# Altium PCB UmTRXv21.PcbDoc (part 18 of 19)
Units mm, origin at the board's own origin, x right, y up, seen from the top; angles counter-clockwise.
Board outline 159.5 x 99.5 mm, 6 copper layers (Top Layer, GND, MidLayer1, Mid-Layer 2, InternalPlane2, Bottom Layer), stack 1.526 mm thick; 716 components, 578 nets, 2850 pads, 1402 vias.
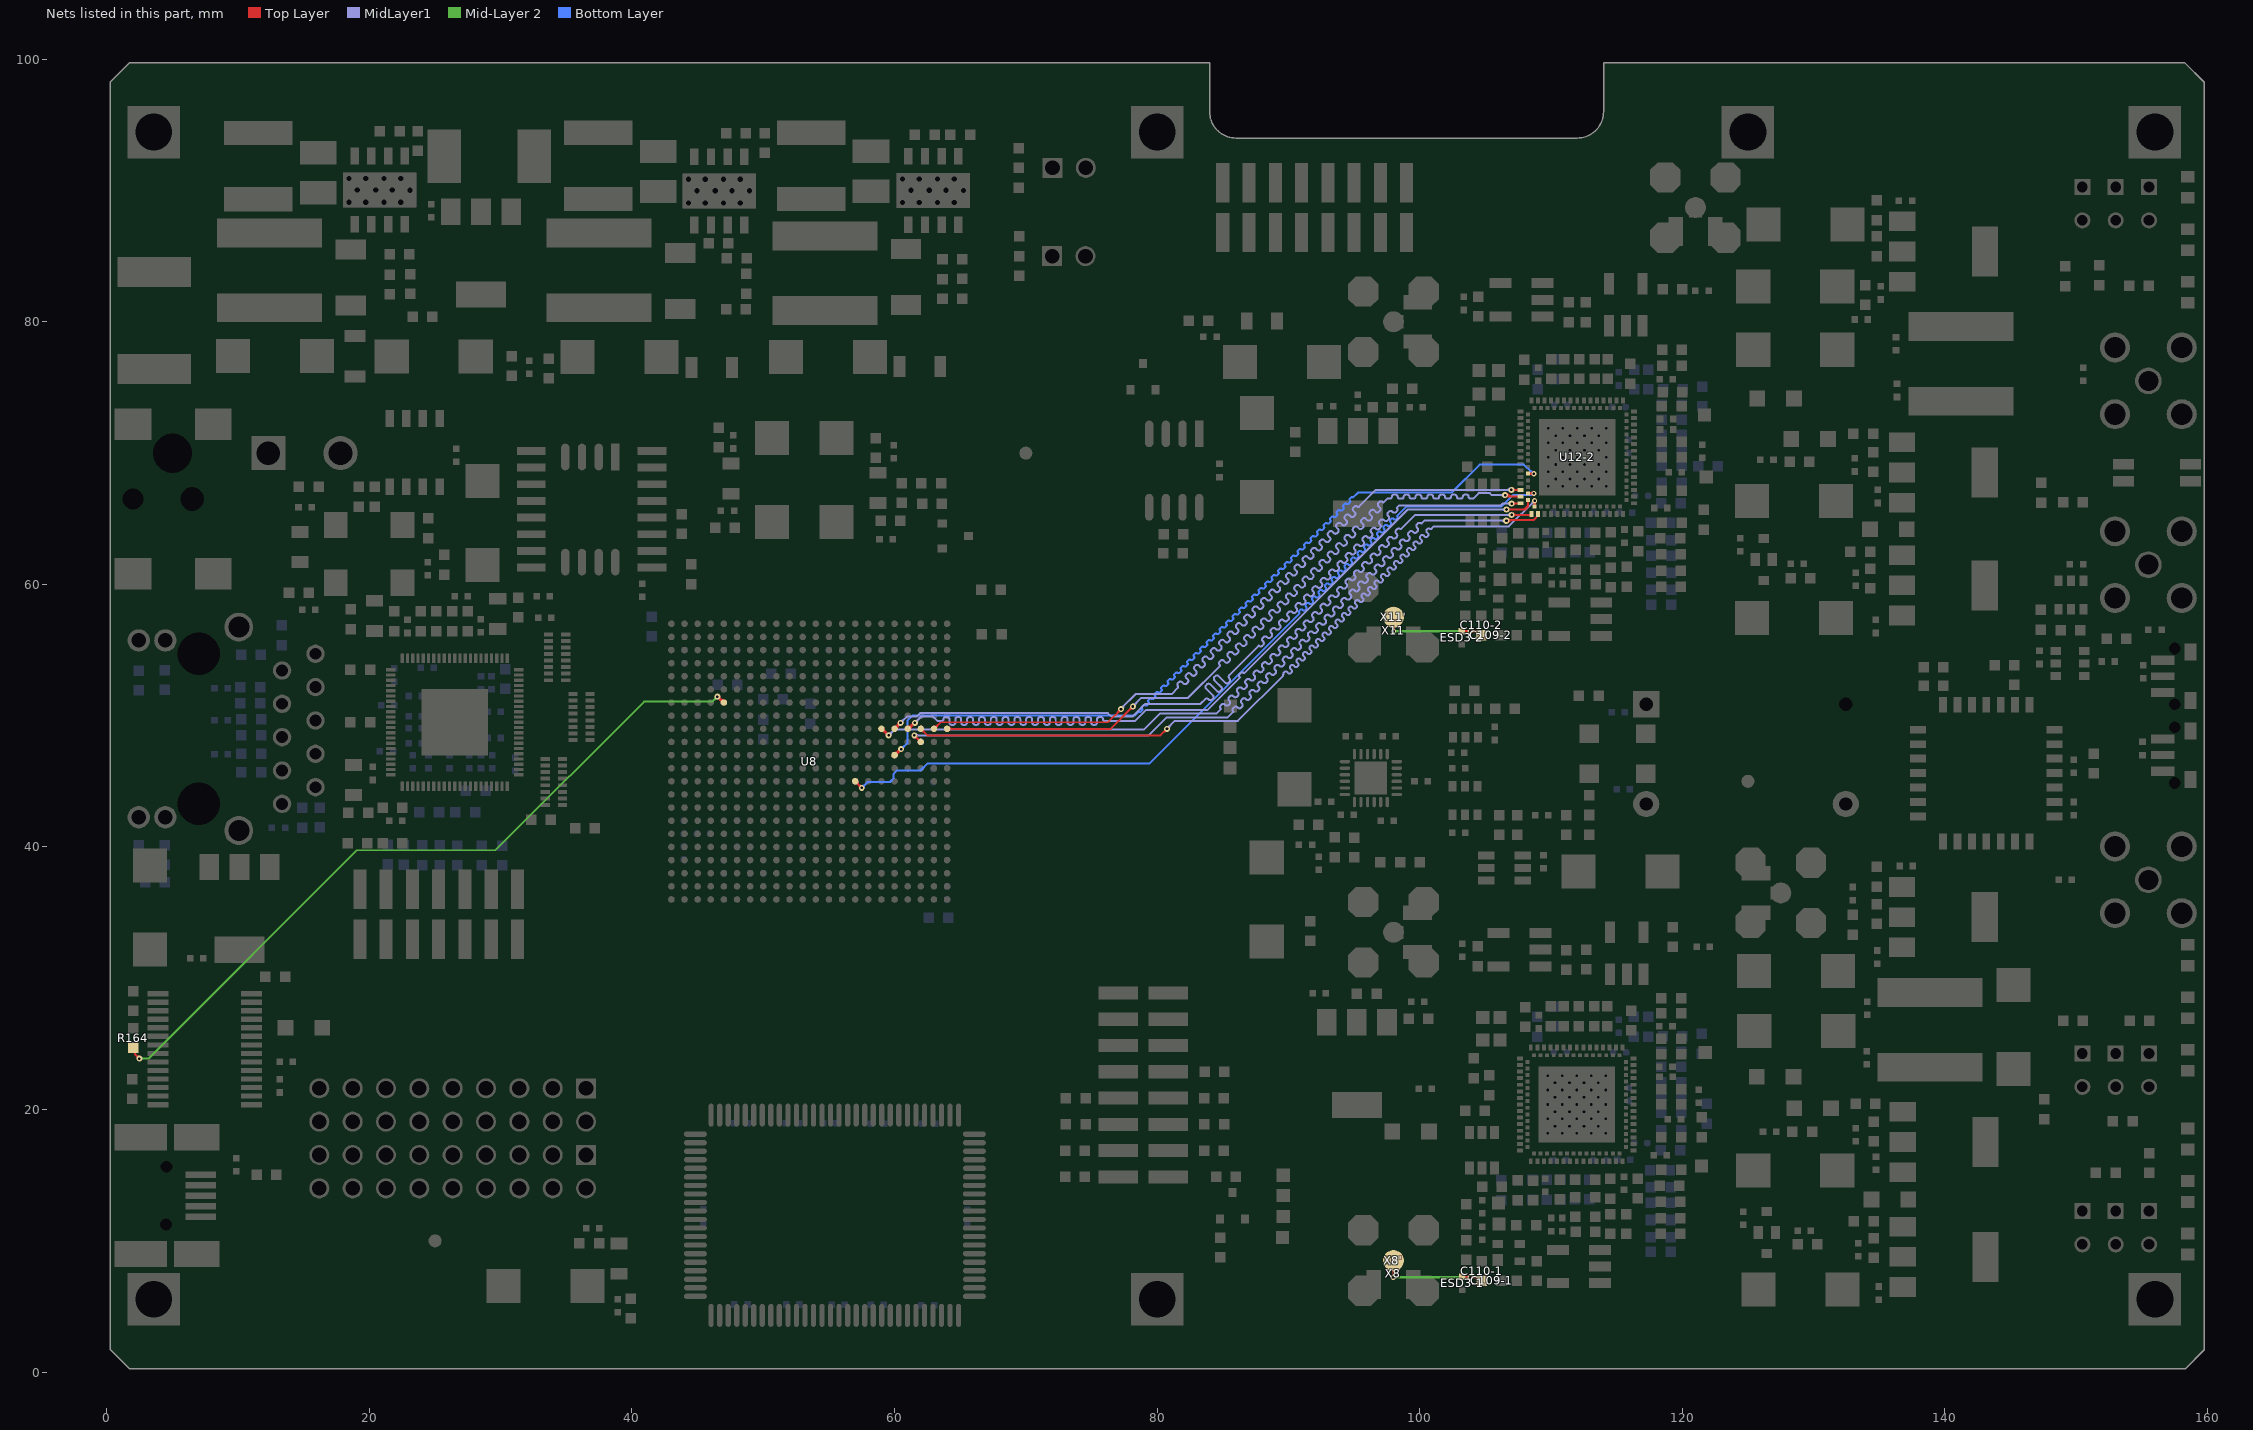
[diagram p22: the nets of this part, all layers, seen from the top]

## Via types
v1: diameter 0.45, hole 0.2, Top Layer to Bottom Layer, tented both sides, 440 vias
v2: diameter 0.5, hole 0.2, Top Layer to Bottom Layer, tented both sides, 423 vias
v3: diameter 0.7, hole 0.3, Top Layer to Bottom Layer, tented both sides, 257 vias
v4: diameter 0.4, hole 0.2, Top Layer to Bottom Layer, tented both sides, 197 vias
v5: diameter 0.8, hole 0.3, Top Layer to Bottom Layer, tented both sides, 63 vias
v6: diameter 0.6, hole 0.25, Top Layer to Bottom Layer, tented both sides, 16 vias
v7: diameter 0.6, hole 0.3, Top Layer to Bottom Layer, tented both sides, 4 vias
v8: diameter 1, hole 0.5, Top Layer to Bottom Layer, tented both sides, 2 vias

## Nets (pads, with @x,y where several pads share a name; then routed paths per layer and width w, separated by ;. In a path a pad name is that pad's centre, name@x,y a point inside that pad or via, vN(x,y) a via of type N, cw(c..) or ccw(c..) an arc to the next point about the centre after c; other vN are vias at no path point) (continued)
TX2D4: U8.P2 U12-2.25 | length 70
  Top Layer w0.15: U8.P2@63,49 63.5,49.5 76.25,49.5 v1(77.25,50.5) ; U8.P2@63,49.175 ccw(c63,49.597) 63.299,49.299 ccw(c63.597,49) U8.P2@63.175,49 ; v1@77.1,50.5 cw(c76.738,50.5) 76.994,50.244 cw(c77.25,49.988) v1@77.25,50.35 ; v1(106.975,67.2) 106.995,67.18 U12-2.25@107.671,67.18 ; v1@107.081,67.094 cw(c107.288,66.887) 107.288,67.18 ; v1@107.081,67.306 ccw(c107.386,67.611) 107.386,67.18
  MidLayer1 w0.15: v1(77.25,50.5) 77.25,50.55 78.35,51.65 81.1,51.65 81.585,52.135 ccw(c81.535,52.184) 81.585,52.234 cw(c81.712,52.361) 81.585,52.488 81.648,52.552 cw(c81.776,52.425) 81.903,52.552 81.952,52.502 82.002,52.453 ccw(c82.129,52.58) 82.256,52.453 82.32,52.516 ccw(c82.193,52.644) 82.32,52.771 82.221,52.87 cw(c82.348,52.997) 82.221,53.125 82.285,53.188 cw(c82.412,53.061) 82.539,53.188 82.638,53.089 ccw(c82.765,53.216) 82.893,53.089 82.956,53.153 ccw(c82.829,53.28) 82.956,53.407 82.857,53.506 cw(c82.985,53.634) 82.857,53.761 82.921,53.825 cw(c83.048,53.697) 83.176,53.825 83.275,53.726 ccw(c83.402,53.853) 83.529,53.726 83.593,53.789 ccw(c83.466,53.917) 83.593,54.044 83.543,54.093 83.494,54.143 cw(c83.621,54.27) 83.494,54.397 83.557,54.461 cw(c83.685,54.334) 83.812,54.461 83.911,54.362 ccw(c84.038,54.489) 84.166,54.362 84.229,54.426 ccw(c84.102,54.553) 84.229,54.68 84.18,54.73 84.13,54.779 cw(c84.257,54.906) 84.13,55.034 84.194,55.097 cw(c84.321,54.97) 84.448,55.097 84.547,54.998 ccw(c84.675,55.126) 84.802,54.998 84.866,55.062 ccw(c84.738,55.189) 84.866,55.317 84.767,55.416 cw(c84.894,55.543) 84.767,55.67 84.83,55.734 cw(c84.957,55.606) 85.085,55.734 85.184,55.635 ccw(c85.311,55.762) 85.438,55.635 85.502,55.698 ccw(c85.375,55.826) 85.502,55.953 85.403,56.052 cw(c85.53,56.179) 85.403,56.307 85.467,56.37 cw(c85.594,56.243) 85.721,56.37 85.771,56.321 85.82,56.271 ccw(c85.947,56.398) 86.075,56.271 86.138,56.335 ccw(c86.011,56.462) 86.138,56.589 86.039,56.688 cw(c86.167,56.816) 86.039,56.943 86.103,57.007 cw(c86.23,56.879) 86.358,57.007 86.407,56.957 86.457,56.908 ccw(c86.584,57.035) 86.711,56.908 86.775,56.971 ccw(c86.647,57.098) 86.775,57.226 86.676,57.325 cw(c86.803,57.452) 86.676,57.579 86.739,57.643 cw(c86.867,57.516) 86.994,57.643 87.093,57.544 ccw(c87.22,57.671) 87.348,57.544 87.411,57.608 ccw(c87.284,57.735) 87.411,57.862 87.312,57.961 cw(c87.439,58.088) 87.312,58.216 87.376,58.279 cw(c87.503,58.152) 87.63,58.279 87.729,58.18 ccw(c87.857,58.308) 87.984,58.18 88.048,58.244 ccw(c87.92,58.371) 88.048,58.499 87.998,58.548 87.949,58.598 cw(c88.076,58.725) 87.949,58.852 88.012,58.916 cw(c88.139,58.788) 88.267,58.916 88.366,58.817 ccw(c88.493,58.944) 88.62,58.817 88.684,58.88 ccw(c88.557,59.008) 88.684,59.135 88.634,59.184 88.585,59.234 cw(c88.712,59.361) 88.585,59.488 88.649,59.552 cw(c88.776,59.425) 88.903,59.552 89.002,59.453 ccw(c89.129,59.58) 89.257,59.453 89.32,59.517 ccw(c89.193,59.644) 89.32,59.771 89.221,59.87 cw(c89.349,59.998) 89.221,60.125 89.285,60.189 cw(c89.412,60.061) 89.54,60.189 89.639,60.09 ccw(c89.766,60.217) 89.893,60.09 89.957,60.153 ccw(c89.829,60.28) 89.957,60.408 89.858,60.507 cw(c89.985,60.634) 89.858,60.761 89.921,60.825 cw(c90.049,60.698) 90.176,60.825 90.225,60.775 90.275,60.726 ccw(c90.402,60.853) 90.529,60.726 90.593,60.79 ccw(c90.466,60.917) 90.593,61.044 90.494,61.143 cw(c90.621,61.27) 90.494,61.398 90.558,61.461 cw(c90.685,61.334) 90.812,61.461 90.862,61.412 90.911,61.362 ccw(c91.039,61.49) 91.166,61.362 91.23,61.426 ccw(c91.102,61.553) 91.23,61.681 91.131,61.78 cw(c91.258,61.907) 91.131,62.034 91.194,62.098 cw(c91.321,61.97) 91.449,62.098 91.548,61.999 ccw(c91.675,62.126) 91.802,61.999 91.866,62.062 ccw(c91.739,62.19) 91.866,62.317 91.767,62.416 cw(c91.894,62.543) 91.767,62.67 91.831,62.734 cw(c91.958,62.607) 92.085,62.734 92.184,62.635 ccw(c92.311,62.762) 92.439,62.635 92.502,62.699 ccw(c92.375,62.826) 92.502,62.953 92.453,63.003 92.403,63.052 cw(c92.531,63.18) 92.403,63.307 92.467,63.371 cw(c92.594,63.243) 92.722,63.371 92.821,63.272 ccw(c92.948,63.399) 93.075,63.272 93.139,63.335 ccw(c93.011,63.462) 93.139,63.59 93.089,63.639 93.04,63.689 cw(c93.167,63.816) 93.04,63.943 93.103,64.007 cw(c93.231,63.88) 93.358,64.007 93.457,63.908 ccw(c93.584,64.035) 93.711,63.908 93.775,63.972 ccw(c93.648,64.099) 93.775,64.226 93.676,64.325 cw(c93.803,64.452) 93.676,64.58 93.74,64.643 cw(c93.867,64.516) 93.994,64.643 94.093,64.544 ; v1@77.25,50.65 ccw(c77.25,50.891) 77.421,50.721 ; v1@77.4,50.5 cw(c77.883,50.5) 77.541,50.841 ; 94.093,64.544 ccw(c94.221,64.672) 94.348,64.544 ; 94.348,64.544 94.411,64.608 ccw(c94.284,64.735) 94.411,64.862 94.312,64.961 cw(c94.44,65.089) 94.312,65.216 94.376,65.28 cw(c94.503,65.152) 94.631,65.28 94.68,65.23 94.73,65.181 ccw(c94.857,65.308) 94.984,65.181 95.048,65.244 ccw(c94.921,65.372) 95.048,65.499 94.949,65.598 cw(c95.076,65.725) 94.949,65.852 95.013,65.916 cw(c95.14,65.789) 95.267,65.916 ccw(c95.317,65.966) 95.366,65.916 96.653,67.203 106.972,67.203 v1(106.975,67.2) ; 106.605,67.203 cw(c106.605,66.83) v1@106.869,67.094 ; 106.621,67.203 ccw(c106.621,67.554) v1@106.869,67.306
TX2D5: U8.K8 U12-2.26 | length 70.3
  Top Layer w0.15: U8.K8@57,44.825 cw(c57,44.403) 57.299,44.701 cw(c57.597,45) U8.K8@57.175,45 ; U8.K8@57,45 v1(57.5,44.5) ; v1@57.35,44.5 ccw(c56.988,44.5) 57.244,44.756 ccw(c57.5,45.012) v1@57.5,44.65
  Top Layer w0.2: U12-2.26@108.246,66.93 v4@108.671,66.93 ; v4@108.625,66.859 ccw(c108.455,66.688) 108.455,66.93 ccw(c108.455,67.171) v4@108.625,67.001
  Bottom Layer w0.15: v1(57.5,44.5) 57.95,44.95 59.651,44.95 59.925,45.224 59.925,45.575 60.175,45.825 61.975,45.825 62.525,46.375 79.425,46.375 90.852,57.802 90.845,57.809 cw(c90.944,57.908) 90.845,58.007 90.894,58.056 cw(c90.993,57.957) 91.092,58.056 91.099,58.049 91.106,58.042 ccw(c91.205,58.141) 91.304,58.042 91.354,58.092 ccw(c91.255,58.191) 91.354,58.29 91.347,58.297 91.34,58.304 cw(c91.439,58.403) 91.34,58.502 91.389,58.551 cw(c91.488,58.452) 91.587,58.551 91.594,58.544 91.601,58.537 ccw(c91.7,58.636) 91.799,58.537 91.849,58.587 ccw(c91.75,58.686) 91.849,58.785 91.842,58.792 91.835,58.799 cw(c91.934,58.898) 91.835,58.997 91.884,59.046 cw(c91.983,58.947) 92.082,59.046 92.096,59.032 ccw(c92.195,59.131) 92.294,59.032 92.344,59.082 ccw(c92.245,59.181) 92.344,59.279 92.337,59.287 92.33,59.294 cw(c92.428,59.393) 92.329,59.492 92.379,59.541 cw(c92.478,59.442) 92.577,59.541 92.584,59.534 92.591,59.527 ccw(c92.69,59.626) 92.789,59.527 92.839,59.576 ccw(c92.74,59.675) 92.839,59.774 92.832,59.782 92.824,59.789 cw(c92.923,59.888) 92.824,59.987 92.874,60.036 cw(c92.973,59.937) 93.072,60.036 93.079,60.029 93.086,60.022 ccw(c93.185,60.121) 93.284,60.022 93.334,60.071 ccw(c93.235,60.17) 93.334,60.269 93.327,60.277 93.319,60.284 cw(c93.418,60.383) 93.319,60.482 93.369,60.531 cw(c93.468,60.432) 93.567,60.531 93.574,60.524 93.581,60.517 ccw(c93.68,60.616) 93.779,60.517 93.829,60.566 ccw(c93.73,60.665) 93.829,60.764 93.821,60.771 93.814,60.779 cw(c93.913,60.878) 93.814,60.977 93.864,61.026 cw(c93.963,60.927) 94.062,61.026 94.069,61.019 94.076,61.012 ccw(c94.175,61.111) 94.274,61.012 94.324,61.061 ccw(c94.225,61.16) 94.324,61.259 94.309,61.274 cw(c94.408,61.373) 94.309,61.472 94.359,61.521 cw(c94.458,61.422) 94.557,61.521 94.564,61.514 94.571,61.507 ccw(c94.67,61.606) 94.769,61.507 94.819,61.556 ccw(c94.72,61.655) 94.819,61.754 94.811,61.761 94.804,61.769 cw(c94.903,61.868) 94.804,61.967 94.854,62.016 cw(c94.953,61.917) 95.052,62.016 95.059,62.009 95.066,62.002 ccw(c95.165,62.101) 95.264,62.002 95.313,62.051 ccw(c95.214,62.15) 95.313,62.249 95.306,62.256 95.299,62.263 cw(c95.398,62.362) 95.299,62.461 95.349,62.511 cw(c95.448,62.412) 95.547,62.511 95.554,62.504 95.561,62.497 ccw(c95.66,62.596) 95.759,62.497 95.808,62.546 ccw(c95.709,62.645) 95.808,62.744 95.801,62.751 95.794,62.758 cw(c95.893,62.857) 95.794,62.956 95.844,63.006 cw(c95.943,62.907) 96.042,63.006 96.049,62.999 96.056,62.992 ccw(c96.155,63.091) 96.254,62.992 96.303,63.041 ccw(c96.204,63.14) 96.303,63.239 96.296,63.246 96.289,63.253 cw(c96.388,63.352) 96.289,63.451 96.339,63.501 cw(c96.438,63.402) 96.537,63.501 96.551,63.487 ccw(c96.65,63.586) 96.749,63.487 96.798,63.536 ccw(c96.699,63.635) 96.798,63.734 96.791,63.741 96.784,63.748 cw(c96.883,63.847) 96.784,63.946 96.834,63.996 cw(c96.933,63.897) 97.032,63.996 97.039,63.989 97.046,63.982 ccw(c97.145,64.081) 97.244,63.982 97.293,64.031 ccw(c97.194,64.13) 97.293,64.229 97.286,64.236 97.279,64.243 cw(c97.378,64.342) 97.279,64.441 97.329,64.491 cw(c97.428,64.392) 97.527,64.491 97.534,64.484 97.541,64.477 ccw(c97.64,64.576) 97.739,64.477 97.788,64.526 ccw(c97.689,64.625) 97.788,64.724 97.781,64.731 97.774,64.738 cw(c97.873,64.837) 97.774,64.936 97.824,64.986 cw(c97.923,64.887) 98.022,64.986 98.029,64.979 98.036,64.972 ccw(c98.135,65.071) 98.234,64.972 98.283,65.021 ccw(c98.184,65.12) 98.283,65.219 98.276,65.226 99,65.95 106.234,65.95 107.084,66.8 108.566,66.8 v4(108.696,66.93) ; v1@57.5,44.65 ccw(c57.5,45.012) 57.756,44.756 ccw(c58.012,44.5) v1@57.65,44.5 ; 108.081,66.8 ccw(c108.081,67.545) v4@108.608,67.018 ; 108.443,66.8 ccw(c108.443,67.183) v4@108.714,66.912
TX2D6: U8.P1 U12-2.27 | length 70.3
  Top Layer w0.15: U8.P1@64,49 76.45,49 v1(78.15,50.7) ; U8.P1@64.124,48.876 cw(c64.422,48.578) 64.422,49 cw(c64.422,49.422) U8.P1@64.124,49.124 ; v1@78,50.7 cw(c77.638,50.7) 77.894,50.444 cw(c78.15,50.188) v1@78.15,50.55 ; v1@106.611,66.909 ccw(c107.165,67.463) 107.165,66.68 ; 106.803,66.68 cw(c106.803,67.101) v1(106.505,66.803) 106.629,66.68 U12-2.27@107.671,66.68
  MidLayer1 w0.15: v1(78.15,50.7) 78.8,51.35 82.35,51.35 84.763,53.763 ccw(c84.714,53.813) 84.763,53.862 cw(c84.891,53.99) 84.763,54.117 84.827,54.181 cw(c84.954,54.053) 85.082,54.181 85.181,54.082 ccw(c85.308,54.209) 85.435,54.082 85.499,54.145 ccw(c85.371,54.272) 85.499,54.4 85.4,54.499 cw(c85.527,54.626) 85.4,54.753 85.463,54.817 cw(c85.591,54.69) 85.718,54.817 85.767,54.767 85.817,54.718 ccw(c85.944,54.845) 86.072,54.718 86.135,54.782 ccw(c86.008,54.909) 86.135,55.036 86.036,55.135 cw(c86.163,55.262) 86.036,55.39 86.1,55.453 cw(c86.227,55.326) 86.354,55.453 86.404,55.404 86.453,55.354 ccw(c86.581,55.482) 86.708,55.354 86.772,55.418 ccw(c86.644,55.545) 86.772,55.673 86.673,55.772 cw(c86.8,55.899) 86.673,56.026 86.736,56.09 cw(c86.863,55.962) 86.991,56.09 87.09,55.991 ccw(c87.217,56.118) 87.344,55.991 87.408,56.054 ccw(c87.281,56.182) 87.408,56.309 87.309,56.408 cw(c87.436,56.535) 87.309,56.663 87.373,56.726 cw(c87.5,56.599) 87.627,56.726 87.726,56.627 ccw(c87.853,56.754) 87.981,56.627 88.044,56.691 ccw(c87.917,56.818) 88.044,56.945 87.995,56.995 87.945,57.044 cw(c88.073,57.172) 87.945,57.299 88.009,57.363 cw(c88.136,57.235) 88.264,57.363 88.363,57.264 ccw(c88.49,57.391) 88.617,57.264 88.681,57.327 ccw(c88.553,57.454) 88.681,57.582 88.631,57.631 88.582,57.681 cw(c88.709,57.808) 88.582,57.935 88.645,57.999 cw(c88.773,57.872) 88.9,57.999 88.999,57.9 ccw(c89.126,58.027) 89.253,57.9 89.317,57.964 ccw(c89.19,58.091) 89.317,58.218 89.218,58.317 cw(c89.345,58.444) 89.218,58.572 89.282,58.635 cw(c89.409,58.508) 89.536,58.635 89.635,58.536 ccw(c89.763,58.664) 89.89,58.536 89.954,58.6 ccw(c89.826,58.727) 89.954,58.855 89.855,58.954 cw(c89.982,59.081) 89.855,59.208 89.918,59.272 cw(c90.045,59.144) 90.173,59.272 90.222,59.222 90.272,59.173 ccw(c90.399,59.3) 90.526,59.173 90.59,59.236 ccw(c90.463,59.364) 90.59,59.491 90.491,59.59 cw(c90.618,59.717) 90.491,59.844 90.555,59.908 cw(c90.682,59.781) 90.809,59.908 90.859,59.859 90.908,59.809 ccw(c91.035,59.936) 91.163,59.809 91.226,59.873 ccw(c91.099,60) 91.226,60.127 91.127,60.226 cw(c91.255,60.354) 91.127,60.481 91.191,60.545 cw(c91.318,60.417) 91.446,60.545 91.545,60.446 ccw(c91.672,60.573) 91.799,60.446 91.863,60.509 ccw(c91.735,60.636) 91.863,60.764 91.764,60.863 cw(c91.891,60.99) 91.764,61.117 91.827,61.181 cw(c91.955,61.054) 92.082,61.181 92.181,61.082 ccw(c92.308,61.209) 92.435,61.082 92.499,61.146 ccw(c92.372,61.273) 92.499,61.4 92.45,61.45 92.4,61.499 cw(c92.527,61.626) 92.4,61.754 92.464,61.817 cw(c92.591,61.69) 92.718,61.817 92.817,61.718 ccw(c92.945,61.846) 93.072,61.718 93.136,61.782 ccw(c93.008,61.909) 93.136,62.037 93.086,62.086 93.037,62.136 cw(c93.164,62.263) 93.037,62.39 93.1,62.454 cw(c93.227,62.326) 93.355,62.454 93.454,62.355 ccw(c93.581,62.482) 93.708,62.355 93.772,62.418 ccw(c93.645,62.546) 93.772,62.673 93.673,62.772 cw(c93.8,62.899) 93.673,63.026 93.737,63.09 cw(c93.864,62.963) 93.991,63.09 94.09,62.991 ccw(c94.217,63.118) 94.345,62.991 94.408,63.055 ccw(c94.281,63.182) 94.408,63.309 94.309,63.408 cw(c94.437,63.536) 94.309,63.663 94.373,63.726 cw(c94.5,63.599) 94.627,63.726 94.677,63.677 94.726,63.627 ccw(c94.854,63.755) 94.981,63.627 95.045,63.691 ccw(c94.917,63.818) 95.045,63.946 94.946,64.045 cw(c95.073,64.172) 94.946,64.299 95.009,64.363 cw(c95.137,64.236) 95.264,64.363 95.313,64.313 95.363,64.264 ccw(c95.49,64.391) 95.617,64.264 95.681,64.328 ccw(c95.554,64.455) 95.681,64.582 95.582,64.681 cw(c95.709,64.808) 95.582,64.936 95.646,64.999 cw(c95.773,64.872) 95.9,64.999 95.999,64.9 ccw(c96.127,65.028) 96.254,64.9 96.317,64.964 ccw(c96.19,65.091) 96.317,65.218 96.218,65.317 cw(c96.346,65.445) 96.218,65.572 96.282,65.636 cw(c96.409,65.508) 96.537,65.636 96.636,65.537 ccw(c96.763,65.664) 96.89,65.537 96.954,65.6 ccw(c96.827,65.728) 96.954,65.855 96.904,65.904 96.855,65.954 cw(c96.982,66.081) 96.855,66.208 96.919,66.272 cw(c97.046,66.145) 97.173,66.272 ccw(c97.223,66.322) 97.272,66.272 97.541,66.541 97.755,66.541 ccw(c97.755,66.661) 97.875,66.661 cw(c98.055,66.661) 98.055,66.841 98.145,66.841 cw(c98.145,66.661) 98.325,66.661 ccw(c98.445,66.661) 98.445,66.541 98.655,66.541 ccw(c98.655,66.661) 98.775,66.661 cw(c98.955,66.661) 98.955,66.841 99.045,66.841 cw(c99.045,66.661) 99.225,66.661 ccw(c99.345,66.661) 99.345,66.541 99.555,66.541 ccw(c99.555,66.661) 99.675,66.661 cw(c99.855,66.661) 99.855,66.841 99.945,66.841 cw(c99.945,66.661) 100.125,66.661 ccw(c100.245,66.661) 100.245,66.541 100.455,66.541 ccw(c100.455,66.661) 100.575,66.661 cw(c100.755,66.661) 100.755,66.841 100.845,66.841 cw(c100.845,66.661) 101.025,66.661 ccw(c101.145,66.661) 101.145,66.541 101.355,66.541 ccw(c101.355,66.661) 101.475,66.661 cw(c101.655,66.661) 101.655,66.841 101.745,66.841 cw(c101.745,66.661) 101.925,66.661 ccw(c102.045,66.661) 102.045,66.541 102.255,66.541 ccw(c102.255,66.661) 102.375,66.661 cw(c102.555,66.661) 102.555,66.841 102.645,66.841 cw(c102.645,66.661) 102.825,66.661 ccw(c102.945,66.661) 102.945,66.541 103.155,66.541 ccw(c103.155,66.661) 103.275,66.661 cw(c103.455,66.661) 103.455,66.841 103.545,66.841 cw(c103.545,66.661) 103.725,66.661 ccw(c103.845,66.661) 103.845,66.541 104.066,66.541 104.478,66.953 105.344,66.953 105.494,66.803 v1(106.505,66.803) ; v1@78.15,50.85 ccw(c78.15,51.212) 78.406,50.956 ccw(c78.662,50.7) v1@78.3,50.7 ; v1@106.399,66.697 ccw(c106.143,66.441) 106.143,66.803 ccw(c106.143,67.165) v1@106.399,66.909
TX2D7: U8.P4 U12-2.28 | length 70.7
  Top Layer w0.15: U8.P4@61,49 61.5,49.5 v1(61.55,49.45) ; U8.P4@61,49.175 ccw(c61,49.597) 61.299,49.299 ccw(c61.597,49) U8.P4@61.175,49 ; U8.P4@61.045,49.169 ccw(c61.115,49.428) 61.249,49.196 ; U8.P4@61.123,49.123 cw(c61.55,48.696) v1@61.55,49.3 ; U8.P4@61.17,48.96 cw(c61.675,48.843) v1@61.416,49.292 ; v1(106.605,65.703) 107.978,65.703 108.246,65.971 U12-2.28@108.246,66.43 ; v1@106.711,65.597 cw(c106.967,65.341) 106.967,65.703 cw(c106.967,66.065) v1@106.711,65.809
  MidLayer1 w0.15: v1@61.55,49.6 ccw(c61.55,49.962) 61.806,49.706 ccw(c62.062,49.45) v1@61.7,49.45 ; v1(61.55,49.45) 62.05,49.95 62.9,49.95 63.25,49.6 63.605,49.6 ccw(c63.605,49.72) 63.725,49.72 cw(c63.905,49.72) 63.905,49.9 63.995,49.9 cw(c63.995,49.72) 64.175,49.72 64.175,49.48 ccw(c64.355,49.48) 64.355,49.3 64.445,49.3 ccw(c64.445,49.48) 64.625,49.48 64.625,49.72 cw(c64.805,49.72) 64.805,49.9 64.895,49.9 cw(c64.895,49.72) 65.075,49.72 65.075,49.48 ccw(c65.255,49.48) 65.255,49.3 65.345,49.3 ccw(c65.345,49.48) 65.525,49.48 65.525,49.72 cw(c65.705,49.72) 65.705,49.9 65.795,49.9 cw(c65.795,49.72) 65.975,49.72 65.975,49.48 ccw(c66.155,49.48) 66.155,49.3 66.245,49.3 ccw(c66.245,49.48) 66.425,49.48 66.425,49.72 cw(c66.605,49.72) 66.605,49.9 66.695,49.9 cw(c66.695,49.72) 66.875,49.72 66.875,49.48 ccw(c67.055,49.48) 67.055,49.3 67.145,49.3 ccw(c67.145,49.48) 67.325,49.48 67.325,49.72 cw(c67.505,49.72) 67.505,49.9 67.595,49.9 cw(c67.595,49.72) 67.775,49.72 67.775,49.48 ccw(c67.955,49.48) 67.955,49.3 68.045,49.3 ccw(c68.045,49.48) 68.225,49.48 68.225,49.72 cw(c68.405,49.72) 68.405,49.9 68.495,49.9 cw(c68.495,49.72) 68.675,49.72 68.675,49.48 ccw(c68.855,49.48) 68.855,49.3 68.945,49.3 ccw(c68.945,49.48) 69.125,49.48 69.125,49.72 cw(c69.305,49.72) 69.305,49.9 69.395,49.9 cw(c69.395,49.72) 69.575,49.72 69.575,49.48 ccw(c69.755,49.48) 69.755,49.3 69.845,49.3 ccw(c69.845,49.48) 70.025,49.48 70.025,49.72 cw(c70.205,49.72) 70.205,49.9 70.295,49.9 cw(c70.295,49.72) 70.475,49.72 70.475,49.48 ccw(c70.655,49.48) 70.655,49.3 70.745,49.3 ccw(c70.745,49.48) 70.925,49.48 70.925,49.72 cw(c71.105,49.72) 71.105,49.9 71.195,49.9 cw(c71.195,49.72) 71.375,49.72 71.375,49.48 ccw(c71.555,49.48) 71.555,49.3 71.645,49.3 ccw(c71.645,49.48) 71.825,49.48 71.825,49.72 cw(c72.005,49.72) 72.005,49.9 72.095,49.9 cw(c72.095,49.72) 72.275,49.72 72.275,49.48 ccw(c72.455,49.48) 72.455,49.3 72.545,49.3 ccw(c72.545,49.48) 72.725,49.48 72.725,49.72 cw(c72.905,49.72) 72.905,49.9 72.995,49.9 cw(c72.995,49.72) 73.175,49.72 73.175,49.48 ccw(c73.355,49.48) 73.355,49.3 73.445,49.3 ccw(c73.445,49.48) 73.625,49.48 73.625,49.72 cw(c73.805,49.72) 73.805,49.9 73.895,49.9 cw(c73.895,49.72) 74.075,49.72 74.075,49.48 ccw(c74.255,49.48) 74.255,49.3 74.345,49.3 ccw(c74.345,49.48) 74.525,49.48 74.525,49.72 cw(c74.705,49.72) 74.705,49.9 74.795,49.9 cw(c74.795,49.72) 74.975,49.72 74.975,49.48 ccw(c75.155,49.48) 75.155,49.3 75.245,49.3 ccw(c75.245,49.48) 75.425,49.48 75.425,49.72 cw(c75.605,49.72) 75.605,49.9 75.695,49.9 cw(c75.695,49.72) 75.875,49.72 ccw(c75.995,49.72) 75.995,49.6 78.325,49.6 79.175,50.45 83.85,50.45 86.295,52.895 ccw(c86.281,52.909) 86.295,52.923 cw(c86.422,53.051) 86.295,53.178 86.359,53.241 cw(c86.486,53.114) 86.613,53.241 ccw(c86.627,53.256) 86.641,53.241 99.103,65.703 v1(106.605,65.703) ; v1@106.499,65.597 ccw(c106.243,65.341) 106.243,65.703 ccw(c106.243,66.065) v1@106.499,65.809
TX2D8: U8.P5 U12-2.29 | length 72
  Top Layer w0.15: U8.P5@59.979,49.174 ccw(c59.925,49.613) v1@60.308,49.392 ; U8.P5@60,49 v1(60.45,49.45) ; U8.P5@60,49.175 ccw(c60,49.597) 60.299,49.299 ccw(c60.597,49) U8.P5@60.175,49 ; U8.P5@60.053,49.167 ccw(c60.095,49.299) 60.214,49.229 ; U8.P5@60.167,49.053 cw(c60.299,49.095) 60.229,49.214 ; U8.P5@60.174,48.979 cw(c60.613,48.925) v1@60.392,49.308 ; v1@60.3,49.45 cw(c59.938,49.45) 60.194,49.194 cw(c60.45,48.938) v1@60.45,49.3 ; v1(107,66.15) 107.03,66.18 U12-2.29@107.671,66.18 ; v1@107.106,66.044 cw(c107.434,65.716) 107.434,66.18 ; v1@107.106,66.256 ccw(c107.29,66.44) 107.29,66.18 ; U8.P5@60.045,49.169 ccw(c60.092,49.343) 60.182,49.187 cw(c60.092,49.343) U8.P5@60.045,49.169 ; U8.P5@60.169,49.045 cw(c60.343,49.092) 60.187,49.182 ccw(c60.343,49.092) U8.P5@60.169,49.045
  MidLayer1 w0.15: v1(60.45,49.45) 60.95,49.95 61.697,49.95 61.947,50.2 76.254,50.2 76.504,49.95 78.15,49.95 79.1,50.9 83.3,50.9 83.65,51.25 cw(c83.777,51.123) 83.905,51.25 83.923,51.231 ccw(c84.051,51.359) 84.178,51.231 84.241,51.295 ccw(c84.114,51.422) 84.241,51.55 84.095,51.695 83.728,52.063 cw(c83.855,52.19) 83.728,52.318 83.791,52.381 cw(c83.919,52.254) 84.046,52.381 84.414,52.014 84.56,51.868 ccw(c84.687,51.995) 84.814,51.868 84.878,51.931 ccw(c84.751,52.059) 84.878,52.186 84.732,52.332 84.364,52.7 cw(c84.491,52.827) 84.364,52.954 84.428,53.018 cw(c84.555,52.891) 84.682,53.018 85.05,52.65 85.196,52.504 ccw(c85.323,52.631) 85.451,52.504 85.514,52.568 ccw(c85.387,52.695) 85.514,52.822 85.496,52.841 cw(c85.623,52.968) 85.496,53.096 87.726,55.326 cw(c87.74,55.312) 87.755,55.326 ccw(c87.882,55.454) 88.009,55.326 88.073,55.39 ccw(c87.945,55.517) 88.073,55.644 88.059,55.659 88.044,55.673 cw(c88.172,55.8) 88.044,55.927 88.108,55.991 cw(c88.235,55.864) 88.363,55.991 88.377,55.977 88.391,55.963 ccw(c88.518,56.09) 88.645,55.963 88.709,56.026 ccw(c88.582,56.154) 88.709,56.281 88.695,56.295 88.681,56.309 cw(c88.808,56.436) 88.681,56.564 88.744,56.627 cw(c88.872,56.5) 88.999,56.627 89.013,56.613 89.027,56.599 ccw(c89.155,56.726) 89.282,56.599 89.346,56.663 ccw(c89.218,56.79) 89.346,56.917 89.317,56.946 cw(c89.445,57.073) 89.317,57.2 89.381,57.264 cw(c89.508,57.136) 89.635,57.264 89.65,57.25 89.664,57.235 ccw(c89.791,57.363) 89.918,57.235 89.982,57.299 ccw(c89.855,57.426) 89.982,57.554 89.968,57.568 89.954,57.582 cw(c90.081,57.709) 89.954,57.836 90.017,57.9 cw(c90.145,57.773) 90.272,57.9 90.286,57.886 90.3,57.872 ccw(c90.427,57.999) 90.555,57.872 90.618,57.935 ccw(c90.491,58.063) 90.618,58.19 90.604,58.204 90.59,58.218 cw(c90.717,58.346) 90.59,58.473 90.654,58.537 cw(c90.781,58.409) 90.908,58.537 90.922,58.522 90.937,58.508 ccw(c91.064,58.635) 91.191,58.508 91.255,58.572 ccw(c91.127,58.699) 91.255,58.826 91.241,58.841 91.226,58.855 cw(c91.354,58.982) 91.226,59.109 91.29,59.173 cw(c91.417,59.046) 91.545,59.173 91.559,59.159 91.573,59.145 ccw(c91.7,59.272) 91.827,59.145 91.891,59.208 ccw(c91.764,59.336) 91.891,59.463 91.877,59.477 91.863,59.491 cw(c91.99,59.618) 91.863,59.746 91.926,59.809 cw(c92.054,59.682) 92.181,59.809 92.195,59.795 92.209,59.781 ccw(c92.337,59.908) 92.464,59.781 92.527,59.845 ccw(c92.4,59.972) 92.527,60.099 92.513,60.113 92.499,60.127 cw(c92.626,60.255) 92.499,60.382 92.563,60.446 cw(c92.69,60.318) 92.817,60.446 92.832,60.432 92.846,60.417 ccw(c92.973,60.545) 93.1,60.417 93.164,60.481 ccw(c93.037,60.608) 93.164,60.736 93.15,60.75 93.136,60.764 cw(c93.263,60.891) 93.136,61.018 93.199,61.082 cw(c93.327,60.955) 93.454,61.082 93.468,61.068 93.482,61.054 ccw(c93.609,61.181) 93.737,61.054 93.8,61.117 ccw(c93.673,61.245) 93.8,61.372 93.786,61.386 93.772,61.4 cw(c93.899,61.528) 93.772,61.655 93.836,61.718 cw(c93.963,61.591) 94.09,61.718 94.104,61.704 94.118,61.69 ccw(c94.246,61.817) 94.373,61.69 94.437,61.754 ccw(c94.309,61.881) 94.437,62.008 94.423,62.023 94.408,62.037 cw(c94.536,62.164) 94.408,62.291 94.472,62.355 cw(c94.599,62.228) 94.727,62.355 94.741,62.341 94.755,62.327 ccw(c94.882,62.454) 95.009,62.327 95.073,62.39 ccw(c94.946,62.518) 95.073,62.645 95.059,62.659 95.045,62.673 cw(c95.172,62.8) 95.045,62.928 95.108,62.991 cw(c95.236,62.864) 95.363,62.991 95.377,62.977 95.391,62.963 ccw(c95.519,63.09) 95.646,62.963 95.709,63.027 ccw(c95.582,63.154) 95.709,63.281 95.695,63.295 95.681,63.309 cw(c95.808,63.437) 95.681,63.564 95.745,63.628 cw(c95.872,63.5) 95.999,63.628 96.014,63.614 96.028,63.599 ccw(c96.155,63.727) 96.282,63.599 96.346,63.663 ccw(c96.219,63.79) 96.346,63.918 96.332,63.932 96.318,63.946 cw(c96.445,64.073) 96.318,64.2 96.381,64.264 cw(c96.508,64.137) 96.636,64.264 96.65,64.25 96.664,64.236 ccw(c96.791,64.363) 96.919,64.236 96.982,64.299 ccw(c96.855,64.427) 96.982,64.554 96.968,64.568 96.954,64.582 cw(c97.081,64.71) 96.954,64.837 97.018,64.9 cw(c97.145,64.773) 97.272,64.9 97.286,64.886 97.3,64.872 ccw(c97.428,64.999) 97.555,64.872 97.619,64.936 ccw(c97.491,65.063) 97.619,65.19 97.605,65.205 97.59,65.219 cw(c97.718,65.346) 97.59,65.473 97.654,65.537 cw(c97.781,65.41) 97.909,65.537 97.923,65.523 97.937,65.509 ccw(c98.064,65.636) 98.191,65.509 98.255,65.572 ccw(c98.128,65.699) 98.255,65.827 cw(c98.269,65.841) 98.255,65.855 98.4,66 106.15,66 106.3,66.15 v1(107,66.15) ; v1@60.45,49.6 ccw(c60.45,49.962) 60.706,49.706 ccw(c60.962,49.45) v1@60.6,49.45 ; v1@106.894,66.044 ccw(c106.638,65.788) 106.638,66.15 ccw(c106.638,66.512) v1@106.894,66.256